# Altium PCB GN-1846-A-V2.PcbDoc (part 2 of 4)
Units mil, origin at the board's own origin, x right, y up, seen from the top; angles counter-clockwise.
Board outline 11624.17 x 2384.02 mil, 4 copper layers (Top, GND, VCC, Bottom), stack 40.7 mil thick; 450 components, 346 nets, 1652 pads, 832 vias.
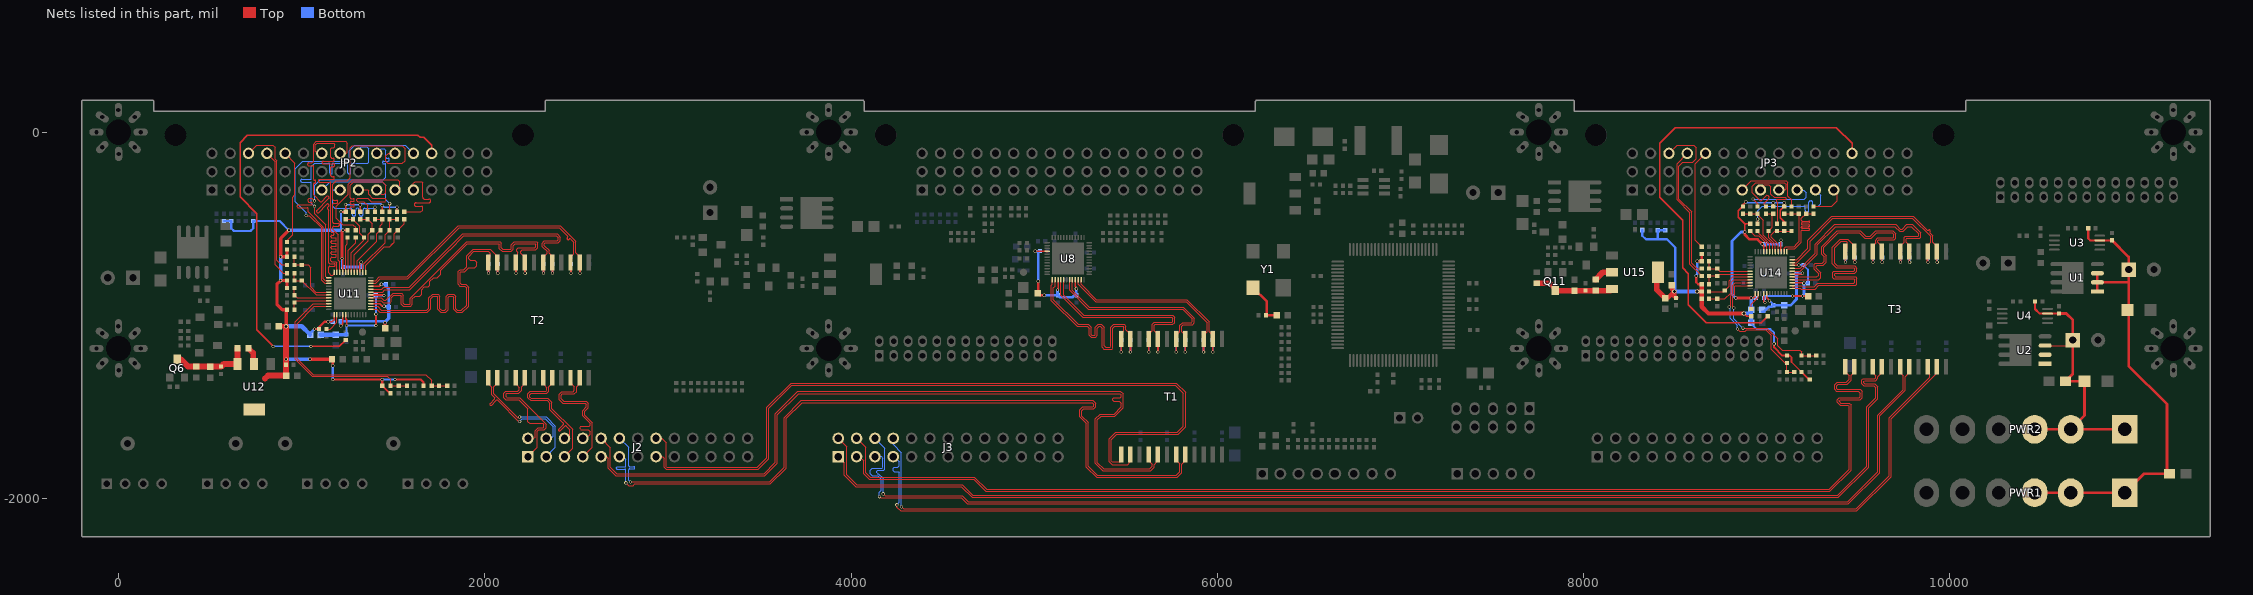
[diagram p4: the nets of this part, all layers, seen from the top]

## Via types
v1: diameter 18, hole 12, Top to Bottom, 768 vias
v2: diameter 24, hole 16, Top to Bottom, 34 vias
v3: diameter 30, hole 20, Top to Bottom, 27 vias
v4: diameter 40, hole 30, Top to Bottom, 2 vias
v5: diameter 24, hole 14, Top to Bottom, 1 vias

## Nets (pads, with @x,y where several pads share a name; then routed paths per layer and width w, separated by ;. In a path a pad name is that pad's centre, name@x,y a point inside that pad or via, vN(x,y) a via of type N, cw(c..) or ccw(c..) an arc to the next point about the centre after c; other vN are vias at no path point) (continued)
A_MX2_N: J2.12 T1.19 | length 4235.9
  Top w6: v1(2795,-1910) 3555,-1910 3635,-1830 3635,-1558 3728,-1465 5320,-1465 5335,-1480 5335,-1500 5325,-1510 5270,-1510 5260,-1520 5260,-1550 5295,-1585 5295,-1824.44 5344.56,-1874 5775,-1874 5795,-1854 5795,-1810 T1.19@5775,-1790
  Bottom w6: J2.12@2735,-1671.65 2785,-1721.65 2785,-1820.6 ccw(c2790.4,-1820.6) 2790.4,-1826 2813.98,-1826 cw(c2813.98,-1831.4) 2819.38,-1831.4 2819.38,-1832.6 cw(c2813.98,-1832.6) 2813.98,-1838 2790.4,-1838 ccw(c2790.4,-1843.4) 2785,-1843.4 2785,-1900 v1(2795,-1910)
A_MX2_P: J2.11 T1.20 | length 4225.8
  Top w6: v1(2770,-1915) 2785,-1930 2810,-1930 2819,-1921 3559.56,-1921 3646,-1834.56 3646,-1562.56 3732.56,-1476 5315.44,-1476 5324,-1484.56 5324,-1495.44 5320.44,-1499 5265.44,-1499 5249,-1515.44 5249,-1554.56 5284,-1589.56 5284,-1829 5340,-1885 5779.56,-1885 5806,-1858.56 5806,-1814 T1.20@5825,-1795
  Bottom w6: J2.11@2735,-1771.65 2756.65,-1771.65 2770,-1785 2770,-1822.6 cw(c2764.6,-1822.6) 2764.6,-1828 2723.6,-1828 ccw(c2723.6,-1833.4) 2718.2,-1833.4 2718.2,-1834.6 ccw(c2723.6,-1834.6) 2723.6,-1840 2764.6,-1840 cw(c2764.6,-1845.4) 2770,-1845.4 v1(2770,-1915)
A_MX3_N: J2.10 T1.16 | length 4210.2
  Top w6: J2.10@2635,-1671.65 2685.91,-1722.56 2685.91,-1830.35 2720.56,-1865 3525,-1865 3587,-1803 3587,-1538 3710,-1415 5470.56,-1415 5485,-1429.44 5485,-1505 5440,-1550 5365,-1550 5345,-1570 5345,-1804.44 5379.56,-1839 5630.28,-1839 5644.28,-1825 5644.28,-1814.28 5625,-1795 T1.16@5625,-1759.96
A_MX3_P: J2.9 T1.17 | length 4202.5
  Top w6: J2.9@2635,-1771.65 2665.65,-1771.65 2674,-1780 2674,-1834 2716,-1876 3529.56,-1876 3598,-1807.56 3598,-1542.56 3712.78,-1427.78 5467.78,-1427.78 5474,-1434 5474,-1445 5469,-1450 5435,-1450 5430,-1455 5430,-1465 5435,-1470 5465,-1470 5474,-1479 5474,-1500.44 5435.56,-1538.89 ; 5435.44,-1539 5360.44,-1539 5334,-1565.44 5334,-1809 5375,-1850 5634.83,-1850 5655.28,-1829.56 5655.28,-1814.72 5675,-1795 T1.17@5675,-1790
A_MX4_N: J2.16 T1.13 | length 4227.9
  Top w6: J2.16@2935,-1671.65 2966.65,-1671.65 2991,-1696 2991,-1826 2995,-1830 3488,-1830 3540,-1778 3540,-1502 3672,-1370 5775.56,-1370 5826,-1420.44 5826,-1609.56 5785.56,-1650 5450.4,-1650 5421,-1679.4 5421,-1795.44 5425.56,-1800 5470,-1800 5475,-1795 T1.13@5475,-1769.96
A_MX4_P: J2.15 T1.14 | length 4235
  Top w6: J2.15@2935,-1771.65 2971.65,-1771.65 2980,-1780 2980,-1830.56 2990.44,-1841 3492.56,-1841 3551,-1782.56 3551,-1506.56 3676.56,-1381 5771,-1381 5815,-1425 5815,-1605 5781,-1639 5445.84,-1639 5410,-1674.84 5410,-1800 5425,-1815 5510,-1815 5525,-1800 T1.14@5525,-1769.96
  Top w8: T1.14@5526.14,-1770.8 T1.14@5526.14,-1741.14
A_TD1_N: C52.2 T1.3 U8.10 | length 1102.9
  Top w6: U8.10@5240.12,-804.96 5240.12,-830.12 5335,-925 5829.44,-925 5944.72,-1040.28 5944.72,-1090.28 5926.14,-1108.86 5926.14,-1140.88 5926.14,-1190.88
  Top w8: T1.3@5926.14,-1140.88 T1.3@5928.15,-1142.89
  Top w10: v1(5925,-1200) T1.3@5925,-1140.04
  Bottom w10: v1(5925,-1200) C52.2@5925,-1135
A_TD1_P: C53.2 T1.2 U8.11 | length 1054
  Top w6: U8.11@5255.87,-804.96 5255.87,-830.31 5339.56,-914 5834,-914 5955.72,-1035.72 5955.72,-1090.72 5976.14,-1111.14 T1.2@5976.14,-1140.88
  Top w8: T1.2@5976.14,-1140.88 T1.2@5978.15,-1142.89 ; T1.2@5976.14,-1111.14 T1.2@5976.14,-1108.83
  Top w10: v1(5975,-1200) T1.2@5975,-1140.04
  Bottom w10: v1(5975,-1200) C53.2@5975,-1135
A_TD2_N: C51.2 T1.6 U8.7 | length 1105.6
  Top w6: U8.7@5192.87,-804.96 5192.87,-863.43 5295.44,-966 5810.44,-966 5864,-1019.56 5864,-1036 5860,-1040 5810.44,-1040 5795,-1055.44 5795,-1090 T1.6@5775,-1110
  Top w10: v1(5775,-1200) T1.6@5775,-1110
  Bottom w10: v1(5775,-1200) C51.2@5775,-1135
A_TD2_P: C46.2 T1.5 U8.8 | length 1104.8
  Top w6: U8.8@5208.62,-804.96 5208.62,-863.62 5300,-955 5815,-955 5875,-1015 5875,-1040.56 5864.56,-1051 5815,-1051 5806,-1060 5806,-1091 T1.5@5825,-1110
  Top w10: v1(5825,-1200) T1.5@5825,-1110
  Bottom w6: v1(5825,-1200) v1@5826.14,-1201.14
  Bottom w10: v1(5825,-1200) C46.2@5825,-1135
A_TD3_N: C45.2 T1.9 U8.4 | length 1111.5
  Top w6: U8.4@5145.63,-804.96 5145.63,-891.19 5265.44,-1011 5751,-1011 5755,-1015 5755,-1035 5751,-1039 5655.44,-1039 5645,-1049.44 5645,-1085 T1.9@5626.14,-1103.86 ; T1.9@5625,-1105 T1.9@5626.14,-1103.86 ; T1.9@5626.14,-1140.88 T1.9@5626.14,-1103.86
  Top w8: T1.9@5626.14,-1140.88 T1.9@5628.15,-1142.89
  Top w10: v1(5625,-1200) T1.9@5625,-1140.04
  Bottom w10: v1(5625,-1200) C45.2@5625,-1135
A_TD3_P: C50.2 T1.8 U8.5 | length 1104.3
  Top w6: U8.5@5161.38,-804.96 5161.38,-891.38 5270,-1000 5755.56,-1000 5766,-1010.44 5766,-1039.56 5755.56,-1050 5660,-1050 5656,-1054 5656,-1085 T1.8@5675,-1104
  Top w10: v1(5675,-1200) T1.8@5675,-1104
  Bottom w10: v1(5675,-1200) C50.2@5675,-1135
A_TD4_N: C48.2 T1.12 U8.1 | length 1092.7
  Top w6: U8.1@5098.39,-804.96 5098.39,-831.61 5094,-836 5094,-919.56 5235.44,-1061 5290,-1061 5300,-1071 5300,-1110 5310,-1120 5335,-1120 5345,-1110 5345,-1070 5354,-1061 5361,-1061 5370,-1070 5370,-1175 5380,-1185 5425,-1185 5430,-1180 5430,-1070 5439,-1061 5486,-1061 5490,-1065 5490,-1085 5475,-1100 T1.12@5475,-1130.04
  Top w10: v1(5475,-1200) T1.12@5475,-1140.04
  Bottom w10: v1(5475,-1200) C48.2@5475,-1135
A_TD4_P: C49.2 T1.11 U8.2 | length 1103
  Top w6: U8.2@5114.13,-804.96 5114.13,-840.87 5105,-850 5105,-915 5240,-1050 5294.56,-1050 5311,-1066.44 5311,-1105 5315,-1109 5330.44,-1109 5334,-1105.44 5334,-1065.44 5349.44,-1050 5365.56,-1050 5381,-1065.44 5381,-1165 5390,-1174 5415,-1174 5419,-1170 5419,-1065.44 5434.44,-1050 5490.56,-1050 5501,-1060.44 5501,-1080 5525,-1104 T1.11@5525,-1130.04
  Top w8: T1.11@5526.14,-1130.04 T1.11@5526.14,-1118.83
  Top w10: v1(5525,-1200) T1.11@5525,-1140.04
  Bottom w10: v1(5525,-1200) C49.2@5525,-1135
APHY105: B4.1 C35.1 C36.1 C37.1 U8.3 U8.9 U8.40 | length 711.2
  Top w8: v1(5126.85,-861.48) 5129.88,-858.45 5129.88,-848.45 U8.3@5129.88,-804.96 ; U8.9@5224.37,-804.96 5224.37,-841.68 5230,-847.31 v1(5230,-855)
  Top w10: v1(5005,-650) 5069.41,-650 U8.40@5070.04,-650.63
  Top w15: B4.1@5020,-880.47 B4.1@5021.85,-878.62 ; v1(5021.85,-814.16) B4.1@5021.85,-878.62 ; v1(5055,-890) 5033.23,-890 B4.1@5021.85,-878.62
  Bottom w12: v1(5005,-650) 5021.85,-650 v1(5021.85,-814.16)
  Bottom w15: v1(5055,-890) C37.1@5130,-890 ; v1(5126.85,-861.48) 5126.85,-886.85 C37.1@5130,-890 ; v1(5230,-855) C36.1@5230,-890 ; C36.1@5230.84,-889.16 C36.1@5230,-890 ; C37.1@5130,-890 5140.66,-900.66 5209.34,-900.66 5220,-890 C36.1@5230,-890
B3V3A: B8.1 C75.1 C76.1 C77.1 U11.6 U11.41 | length 693.8
  Top w8: U11.41@1239.53,-995.8 1239.53,-1020 1245,-1025.47 v1(1245,-1055)
  Top w10: U11.6@1378.11,-888.71 1449.53,-888.71 v1(1449.53,-891.58)
  Top w12: v1(1405,-1055) v1(1405,-993.71)
  Bottom w12: C76.1@1245,-1095.47 v1(1245,-1055) v1(1405,-1055) ; v1(1405,-993.71) C75.1@1405,-891.58 ; v1(1449.53,-891.58) C75.1@1405,-891.58 ; C75.1@1405,-891.58 1405,-890 C75.1@1404.53,-890 1404.53,-891.58 C75.1@1405,-891.58
  Bottom w18: C77.1@1169.53,-1105.47 C76.1@1245,-1105.47
  Bottom w24: B8.1@1104.53,-1105 C77.1@1174.53,-1105
B3V3D: B6.2 B8.2 C65.1 C66.1 C67.1 C68.1 C89.1 C90.1 R94.1 R97.1 R102.1 R106.2 R107.1 R108.2 R110.2 R112.2 R113.2 R114.2 R119.2 R123.2 R124.2 R128.2 R131.2 R412.2 R413.2 R414.2 U11.15 U11.21 U11.37 U12.2 U12.4 | length 4425.3
  Top w8: v1(1145,-1035) 1165,-1035 1176.54,-1023.46 U11.37@1176.54,-995.8 ; U11.21@1223.78,-765.88 v1@1223.78,-693.78 ; R131.2@1240,-435 v1(1240,-395) ; U11.15@1318.27,-765.88 1318.27,-716.73 v1(1325,-710) ; R128.2@1320,-435 v1(1320,-396.5) ; R124.2@1440,-435 v1(1440,-400) ; R119.2@1520,-435 v1(1520,-410)
  Top w10: v1@1220,-540 v1(1225,-535) R106.2@1250,-535 ; R102.1@1440,-1385 R112.2@1480,-1425
  Top w12: v1(1070,-1075) R108.2@1095,-1075 1095,-1065 1125,-1035 v1(1145,-1035) ; B6.2@1165.47,-1240 1170,-1244.53 v1(1170,-1275) ; v1@1175,-1350 v1(1440,-1350) R102.1@1440,-1385 ; v1(1215,-435) R131.2@1240,-435 ; v1(1510,-1350) 1650,-1350 1665,-1365 R97.1@1665,-1385
  Top w15: v1(1220,-690) v1@1220,-540
  Top w18: v2(915,-1060) 915,-975 R110.2@920,-970 895,-970 865,-940 865,-830 v1(885,-810) R114.2@920,-810 R123.2@920,-850 ; R94.1@920,-640 R113.2@920,-680 v1(885,-680) 885,-580 v1(930,-535) ; v1(1045,-1240) B6.2@1165.47,-1240
  Top w24: C90.1@874.53,-1060 v2(915,-1060)
  Top w30: R107.1@710,-1180 735,-1205 U12.2@735,-1270
  Top w32: 800,-1345 815.47,-1329.53 915,-1329.53 C89.1@915,-1270 v1(915,-1240) v2(915,-1060)
  Bottom w8: v1(1240,-395) 1318.5,-395 v1(1320,-396.5) 1324.5,-392 1432,-392 v1(1440,-400) 1450,-410 v1(1520,-410) ; C66.1@1324.53,-735.47 C66.1@1325,-735 v1(1325,-710)
  Bottom w12: R414.2@575,-485 R413.2@615,-485 615,-525 630,-540 720,-540 735,-525 R412.2@735,-485 880,-485 v1(930,-535) ; B8.2@1045.47,-1105 1045.47,-1099.53 v1(1070,-1075) ; v1(1145,-1035) C65.1@1170,-1035 ; v1(1170,-1350) v1(1170,-1275) ; v1(1215,-435) 1215,-525 v1(1225,-535) ; v1(1220,-690) 1220,-730.47 C67.1@1225,-735.47 ; v1(1440,-1350) v1(1510,-1350)
  Bottom w15: C67.1@1225,-735.47 C66.1@1324.53,-735.47
  Bottom w18: v1(885,-810) v1(885,-680) ; v1(915,-1240) v1(1045,-1240) ; v1(930,-535) v1(1225,-535)
  Bottom w24: v2(915,-1060) 1000.47,-1060 B8.2@1045.47,-1105
B5V: C91.1 C92.1 Q6.3 R107.2 R109.1 U12.3 | length 437.2
  Top w32: Q6.3@320,-1240 340,-1240 380,-1280 C91.1@560,-1280 575,-1265 U12.3@649,-1265 649,-1181 R107.2@650,-1180
B_MCLK: JP2.A3 R120.1 | length 855.9
  Top w5: JP2.A3@709.84,-115.13 754.97,-70 842.31,-70 855,-82.69 855,-146.54 865,-156.54 865,-700 890,-725 R120.1@920,-725
B_MDIO: JP2.A4 R122.1 | length 711.8
  Top w5: JP2.A4@809.84,-115.52 855,-160.68 855,-725 900,-770 R122.1@920,-770
B_MX1_N: J2.8 T2.22 | length 693.3
  Top w6: T2.22@2468.15,-1340.8 2468.15,-1368.15 2489.09,-1389.09 2489.09,-1410 2481.49,-1417.6 2419.4,-1417.6 2405,-1432 2405,-1460 2425,-1480 2549.44,-1480 2554,-1484.56 2554,-1500.44 2534,-1520.44 2534,-1549.56 2575,-1590.56 2575,-1600 2570,-1605 2525,-1605 2520,-1610 2520,-1620 2525,-1625 2565,-1625 2575,-1635 2575,-1650 2553.35,-1671.65 J2.8@2535,-1671.65
B_MX1_P: J2.7 T2.23 | length 691.9
  Top w6: T2.23@2518.15,-1340.8 2518.15,-1371.85 2501,-1389 2501,-1416 2488.4,-1428.6 2423.96,-1428.6 2416,-1436.56 2416,-1455.44 2429.56,-1469 2554,-1469 2565,-1480 2565,-1505 2545,-1525 2545,-1545 2586,-1586 2586,-1720.65 J2.7@2535,-1771.65
B_MX2_N: J2.6 T2.19 | length 688.3
  Top w6: T2.19@2318.15,-1340.8 2325,-1347.65 2325,-1380 2339.28,-1394.28 2339.28,-1410 2334.28,-1415 2248,-1415 2235,-1428 2235,-1450.56 2249.44,-1465 2340,-1465 2355,-1480 2355,-1515 2428.75,-1588.75 cw(c2424.94,-1592.57) 2428.75,-1596.39 2403.59,-1621.56 ccw(c2407.4,-1625.38) 2403.59,-1629.2 2404.43,-1630.04 ccw(c2408.25,-1626.23) 2412.07,-1630.04 2437.24,-1604.88 cw(c2441.06,-1608.69) 2444.88,-1604.88 2465,-1625 2465,-1660 2453.35,-1671.65 J2.6@2435,-1671.65
B_MX2_P: J2.5 T2.20 | length 700.6
  Top w6: T2.20@2368.15,-1340.8 2360,-1348.95 2360,-1380 2350.28,-1389.72 2350.28,-1414.56 2338.83,-1426 2252.56,-1426 2246,-1432.56 2246,-1446 2254,-1454 2344.56,-1454 2366,-1475.44 2366,-1509.16 2480,-1623.16 2480,-1726.65 J2.5@2435,-1771.65
B_MX3_N: J2.2 T2.16 | length 685.8
  Top w6: T2.16@2168.15,-1368.15 T2.16@2168.15,-1340.8 2175,-1347.65 2175,-1380 2189.09,-1394.09 2189.09,-1405.91 2180,-1415 2115,-1415 2104,-1426 2104,-1449 2115,-1460 2185,-1460 2235,-1510 2235,-1580 2245,-1590 2315,-1590 2322.5,-1597.5 2322.5,-1611.5 2320,-1614 2290.44,-1614 2275,-1629.44 2275,-1665 2268.35,-1671.65 J2.2@2235,-1671.65
B_MX3_P: J2.1 T2.17 | length 701.7
  Top w6: T2.17@2218.15,-1340.8 2218.15,-1371.85 2201,-1389 2201,-1409.56 2184.56,-1426 2119.56,-1426 2116,-1429.56 2116,-1445 2120,-1449 2189.56,-1449 2335,-1594.44 2335,-1615 2325,-1625 2295,-1625 2286,-1634 2286,-1720.65 J2.1@2235,-1771.65
B_MX4_N: J2.4 T2.13 | length 703.1
  Top w6: T2.13@2018.15,-1340.8 2018.15,-1373.15 2039,-1394 2039,-1434 2053.93,-1448.93 cw(c2050.11,-1452.75) 2053.93,-1456.56 2028.21,-1482.28 ccw(c2032.03,-1486.1) 2028.21,-1489.92 2029.06,-1490.76 ccw(c2032.88,-1486.95) 2036.7,-1490.76 2062.41,-1465.05 cw(c2066.23,-1468.87) 2070.05,-1465.05 2187.5,-1582.5 v1@2190,-1585
  Bottom w6: v1(2190,-1580) 2204,-1566 2330.44,-1566 2374,-1609.56 2374,-1661 2363.35,-1671.65 J2.4@2335,-1671.65
B_MX4_P: J2.3 T2.14 | length 699.8
  Top w6: 2050,-1399.44 2050,-1395 ; T2.14@2068.15,-1340.8 2068.15,-1371.85 2050,-1390 2050,-1395 ; v1(2190,-1555) 2185,-1560 2180.56,-1560 2050,-1429.44 2050,-1395
  Bottom w6: v1(2190,-1555) 2335,-1555 2385,-1605 2385,-1721.65 J2.3@2335,-1771.65
B_TD1_N: C85.2 T2.3 U11.10 | length 1512
  Top w6: U11.10@1378.11,-825.72 1403.27,-825.72 1427.99,-801 1579.56,-801 1859.56,-521 2406,-521 2452.17,-567.17 cw(c2448.35,-570.98) 2452.17,-574.8 2450,-576.97 ccw(c2453.82,-580.79) 2450,-584.61 2450.85,-585.45 ccw(c2454.67,-581.64) 2458.49,-585.45 2460.65,-583.29 cw(c2464.47,-587.11) 2468.29,-583.29 2485,-600 2485,-663.15 T2.3@2468.15,-680
  Top w8: T2.3@2468.15,-680 T2.3@2468.15,-710.88 T2.3@2470,-712.73
  Top w10: v1(2470,-770) T2.3@2470,-712.73
  Bottom w10: v1(2470,-770) C85.2@2470,-720
B_TD1_P: C80.2 T2.2 U11.11 | length 1512
  Top w6: U11.11@1378.11,-809.97 1403.46,-809.97 1423.43,-790 1575,-790 1855,-510 2410.56,-510 2496,-595.44 2496,-657.85 T2.2@2518.15,-680
  Top w8: T2.2@2518.15,-680 T2.2@2518.15,-710.88 T2.2@2520,-712.73
  Top w10: v1(2520,-770) T2.2@2520,-712.73
  Bottom w10: v1(2520,-770) C80.2@2520,-720
B_TD2_N: C83.2 T2.6 U11.7 | length 1494
  Top w6: U11.7@1378.11,-872.97 1442.03,-872.97 1454,-861 1589,-861 1592.03,-857.97 1809,-641 ; 1810,-641 1885,-566 2390,-566 2401,-577 2401,-588 2395,-594 2325.44,-594 2314,-605.44 2314,-624.56 2340,-650.56 2340,-660 T2.6@2318.15,-681.85
  Top w8: T2.6@2318.15,-681.85 T2.6@2318.15,-710.88 T2.6@2320,-712.73
  Top w10: v1(2320,-770) T2.6@2320,-712.73
  Bottom w10: v1(2320,-770) C83.2@2320,-720
B_TD2_P: C84.2 T2.5 U11.8 | length 1510.8
  Top w6: U11.8@1378.11,-857.22 1437.78,-857.22 1448.03,-846.97 1587.47,-846.97 1879.44,-555 2394.56,-555 2412,-572.44 2412,-592.56 2399.56,-605 2330,-605 2325,-610 2325,-620 2351,-646 2351,-661 T2.5@2370,-680
  Top w8: T2.5@2370,-712.73 T2.5@2368.15,-710.88 2370,-709.03 T2.5@2370,-680
  Top w10: v1(2370,-770) T2.5@2370,-712.73
  Bottom w10: v1(2370,-770) C84.2@2370,-720
B_TD3_N: C79.2 T2.9 U11.4 | length 1515.2
  Top w6: U11.4@1378.11,-920.21 1434.65,-920.21 1444.44,-930 1485,-930 1490,-925 1490,-904.56 1503.56,-891 1540.44,-891 1544,-894.56 1544,-939 1555,-950 1595,-950 1604.77,-940.23 ; 1605,-940 1605,-910 1620,-895 1645,-895 1655,-885 1655,-860 1670,-845 1690,-845 1700,-835 1700,-815 1720,-795 1740,-795 1760,-775 1760,-755 1905,-610 2075,-610 2080,-615 2080,-635.56 2094.44,-650 2145,-650 2155,-640 2155,-620 2165,-610 2274,-610 2279,-615 2279,-625.44 2272.8,-631.64 2183.36,-631.64 2175,-640 2175,-650 2180,-655 2180,-670 T2.9@2168.15,-681.85
  Top w10: v1(2170,-770) T2.9@2170,-712.73
  Bottom w10: v1(2170,-770) C79.2@2170,-720
B_TD3_P: C82.2 T2.8 U11.5 | length 1511.6
  Top w6: U11.5@1378.11,-904.46 1434.46,-904.46 1449,-919 1460,-919 1499,-880 1545,-880 1555,-890 1555,-934 1560,-939 1590.44,-939 1594,-935.44 1594,-905.44 1900.44,-599 2084.56,-599 2091,-605.44 2091,-631 2099,-639 2140.44,-639 2144,-635.44 2144,-615.44 2161.35,-598.09 2283.09,-598.09 2290,-605 2290,-630 2277.36,-642.64 2204.6,-642.64 2197.24,-650 ; 2197.64,-650 2197.24,-650 ; T2.8@2218.15,-683.15 2197.24,-662.24 2197.24,-650
  Top w8: T2.8@2218.15,-683.15 T2.8@2218.15,-710.88 T2.8@2220,-712.73
  Top w10: v1(2220,-770) T2.8@2220,-712.73
  Bottom w10: v1(2220,-770) C82.2@2220,-720
B_TD4_N: C81.2 T2.12 U11.1 | length 1522.7
  Top w6: U11.1@1378.11,-967.45 1408.7,-967.45 1425.25,-984 1686.56,-984 1706,-964.56 1706,-909.56 1719.56,-896 1740.44,-896 1744,-899.56 1744,-967.56 1760.44,-984 1786.56,-984 1801,-969.56 1801,-900 1805,-896 1825,-896 1829,-900 1829,-967.56 1845.44,-984 1876.56,-984 1910.91,-949.65 1910.91,-845.44 1894.46,-829 1870,-829 1866,-825 1866,-764.56 1869.56,-761 1889.46,-761 1910.91,-739.56 1945,-739.56 1955,-729.56 1955,-710 1945,-700 1920,-700 1910.91,-690.91 1910.91,-679.09 1940,-650 2020,-650 2030,-660 2030,-683.15
  Top w10: v1(2020,-770) T2.12@2020,-712.73
  Bottom w10: v1(2020,-770) C81.2@2020,-720
B_TD4_P: C78.2 T2.11 U11.2 | length 1517
  Top w6: U11.2@1378.11,-951.71 1414.09,-951.71 1435.38,-973 1682,-973 1695,-960 1695,-905 1715,-885 1745,-885 1755,-895 1755,-963 1765,-973 1782,-973 1790,-965 1790,-895 1800,-885 1829.56,-885 1840,-895.44 1840,-963 1850,-973 1872,-973 1899.91,-945.09 1899.91,-850 1889.91,-840 1864,-840 1855,-831 1855,-760 1865,-750 1884.91,-750 1899.91,-735 1899.91,-674.54 1935.44,-639 2029,-639 2068.15,-678.15 T2.11@2068.15,-710.88
  Top w8: T2.11@2068.15,-710.88 T2.11@2070,-712.73
  Top w10: v1(2070,-770) T2.11@2070,-712.73
  Bottom w10: v1(2070,-770) C78.2@2070,-720
BEPHY_CLK: JP2.A13 R96.1 | length 2753.3
  Top w8: v1(845,-1170) 755,-1080 755,-445 663.15,-353.15 663.15,-56.39 704.04,-15.5 1633.27,-15.5 1646.2,-28.44 1665.75,-28.44 1709.84,-72.53 JP2.A13@1709.84,-115.13 ; v1(1050,-1170) 1205,-1170 R96.1@1240,-1135
  Bottom w8: v1(845,-1170) 890,-1170 ; 915,-1170 890,-1170 ; v1(1050,-1170) 890,-1170
BEPHY_RSTN: JP2.A5 R95.1 | length 524.8
  Top w5: JP2.A5@909.84,-115.13 963.15,-168.44 963.15,-340.85 950,-354 950,-560 920,-590 R95.1@920,-600
BGE0_ENREG: R108.1 U11.38 | length 115.1
  Top w5: R108.1@1135,-1075 1155.86,-1075 1192.28,-1038.58 U11.38@1192.28,-995.8
BGE0_INT_N: R106.1 U11.20 | length 195.2
  Top w5: U11.20@1239.53,-765.88 1239.53,-619.47 1250,-609 R106.1@1250,-575
BGE0_LED0: R103.1 R104.1 R112.1 U11.34 | length 1119.8
  Top w5: U11.34@1148.19,-935.96 1064.04,-935.96 965,-1035 965,-1240 1058.5,-1333.5 1468.5,-1333.5 1485,-1350 R112.1@1485,-1385 R104.1@1575,-1385
BGE0_LED1: R98.1 R99.1 R115.1 U11.35 | length 1302
  Top w5: U11.35@1148.19,-951.71 1068.29,-951.71 975,-1045 975,-1235.86 1062.64,-1323.5 1678.5,-1323.5 1710,-1355 R98.1@1710,-1385 R99.1@1795,-1385
BGE0_LED2: R123.1 R125.1 U11.32 | length 234.2
  Top w5: R123.1@960,-850 R125.1@960,-890 974.46,-904.46 U11.32@1148.19,-904.46
BGE0_PME: R110.1 R111.1 U11.33 | length 232.2
  Top w5: R110.1@960,-970 R111.1@960,-930 969.79,-920.21 U11.33@1148.19,-920.21
BGE0_RXCLK: R87.2 U11.19 | length 207.3
  Top w5: U11.19@1255.28,-765.88 1255.28,-644.72 1295,-605 R87.2@1295,-575
BGE0_RXCTL: R88.2 R116.1 U11.13 | length 421.3
  Top w5: U11.13@1349.76,-765.88 1349.76,-725.24 1449.92,-625.08 1479.92,-625.08 ; 1498.15,-606.85 1479.92,-625.08 ; R88.2@1560,-475 1560,-500 R116.1@1525,-535 1505,-555 1505,-600 1479.92,-625.08
BGE0_RXD0: R89.2 R119.1 R121.1 U11.14 | length 391.3
  Top w5: U11.14@1334.02,-765.88 1334.02,-724.31 1455,-603.33 1455,-560 R121.1@1480,-535 R89.2@1480,-475 R119.1@1520,-475
BGE0_RXD1: R90.2 R124.1 R126.1 U11.16 | length 387.8
  Top w5: U11.16@1302.52,-765.88 1302.52,-702.48 1410,-595 1410,-555 R126.1@1430,-535 1430,-510 1440,-500 R124.1@1440,-475 R90.2@1400,-475
BGE0_RXD2: R91.2 R128.1 R130.1 U11.17 | length 381.9
  Top w5: U11.17@1286.77,-765.88 1286.77,-670.23 1363,-594 1363,-557 R130.1@1385,-535 1385,-500 R91.2@1360,-475 R128.1@1320,-475
BGE0_RXD3: R93.2 R131.1 R132.1 U11.18 | length 384.3
  Top w5: R131.1@1240,-475 R93.2@1280,-475 1318,-513 1318,-553 R132.1@1340,-575 1340,-590 1271.02,-658.98 U11.18@1271.02,-765.88
BMAC_MDC: C93.2 R113.1 R120.2 U11.30 | length 356
  Top w5: R113.1@960,-680 R120.2@960,-725 C93.2@1000,-725 1035,-725 1050,-740 1050,-845 1077.97,-872.97 U11.30@1148.19,-872.97
BMAC_MDIO: C94.2 R114.1 R122.2 U11.31 | length 260.8
  Top w5: R122.2@960,-770 R114.1@960,-810 C94.2@1000,-810 1078.71,-888.71 U11.31@1148.19,-888.71
BPHY105: B7.1 C69.1 C70.1 C71.1 U11.3 U11.9 U11.40 | length 770.2
  Top w8: v1(1213.6,-1056.4) 1223.78,-1046.22 U11.40@1223.78,-995.8 ; U11.3@1378.11,-935.96 1425.96,-935.96 1440,-950 v1(1450,-950) v1@1455,-950
  Top w10: U11.9@1378.11,-841.47 1423.53,-841.47 v1(1435,-830)
  Top w18: v1(1455,-1040) 1455,-1069.53 B7.1@1455.47,-1070
  Bottom w15: v1(1213.6,-1056.4) 1212.56,-1055.36 C69.1@1212.56,-1032.91 1447.91,-1032.91 ; v1(1435,-830) C71.1@1460,-830 1460,-840 1475,-855 C70.1@1475,-950 ; v1(1450,-950) C70.1@1470,-950
  Bottom w18: v1(1455,-1040) 1455,-1035.54 1475,-1015.54 C70.1@1475,-955 C70.1@1470,-950
BRGMII_RXCK: JP2.C11 R87.1 | length 703.1
  Top w5: R87.1@1295,-535 1295,-520 1280,-505 1225,-505 1190,-470 1190,-405 1255,-340 1255,-285 1280,-260 1525,-260 1535,-270 1535,-290.37 JP2.C11@1509.84,-315.52
BRGMII_RXD0: JP2.C7 R89.1 | length 530.6
  Top w5: R89.1@1480,-435 v1(1480,-390)
  Bottom w5: JP2.C7@1109.84,-315.52 1155.37,-270 1440,-270 1460,-290 1460,-370 v1(1480,-390)
BRGMII_RXD1: JP2.C8 R90.1 | length 525.6
  Top w5: R90.1@1400,-435 v1(1400,-410)
  Bottom w5: JP2.C8@1209.84,-315.52 1174.48,-315.52 1170,-320 1170,-405 1180,-415 1265,-415 cw(c1265,-425) 1275,-425 1275,-448 ccw(c1285,-448) 1285,-458 ccw(c1285,-448) 1295,-448 1295,-425 cw(c1305,-425) 1305,-415 cw(c1305,-425) 1315,-425 1315,-448 ccw(c1325,-448) 1325,-458 ccw(c1325,-448) 1335,-448 1335,-425 cw(c1345,-425) 1345,-415 1395,-415 v1(1400,-410)
BRGMII_RXD2: JP2.C9 R91.1 | length 480.1
  Top w5: JP2.C9@1309.84,-315.52 1360.52,-315.52 1365,-320 1365,-340 1385,-360 1455,-360 1460,-365 1460,-375 1455,-380 1380,-380 1360,-360 1305,-360 1300,-365 1300,-375 1305,-380 1340,-380 1360,-400 R91.1@1360,-435